# Altium PCB waffling80_classyTKL-NMB.PcbDoc (part 1 of 3)
Units mm, origin at the board's own origin, x right, y up, seen from the top; angles counter-clockwise.
Board outline 346.59 x 122.85 mm, 2 copper layers (Component Side, Bottom Layer), stack 1.171 mm thick; 212 components, 134 nets, 861 pads, 195 vias.
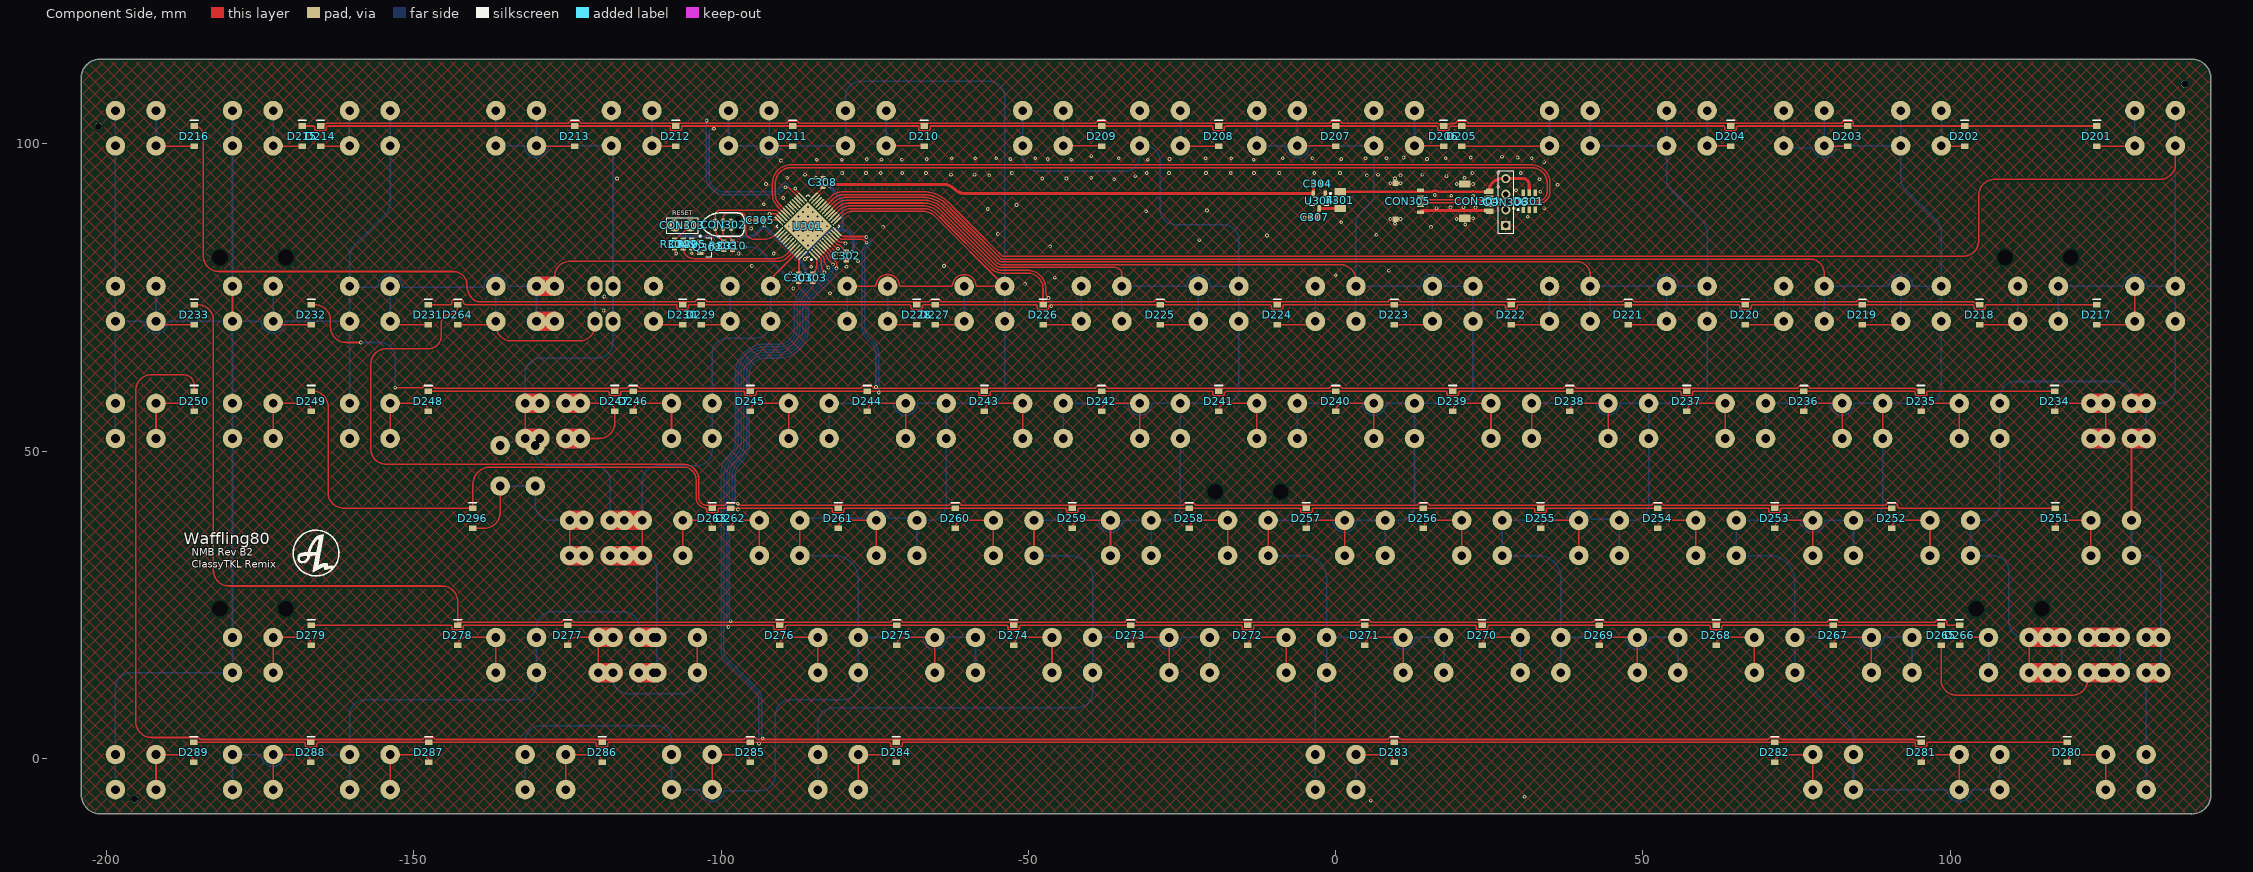
[diagram p0: Component Side view]
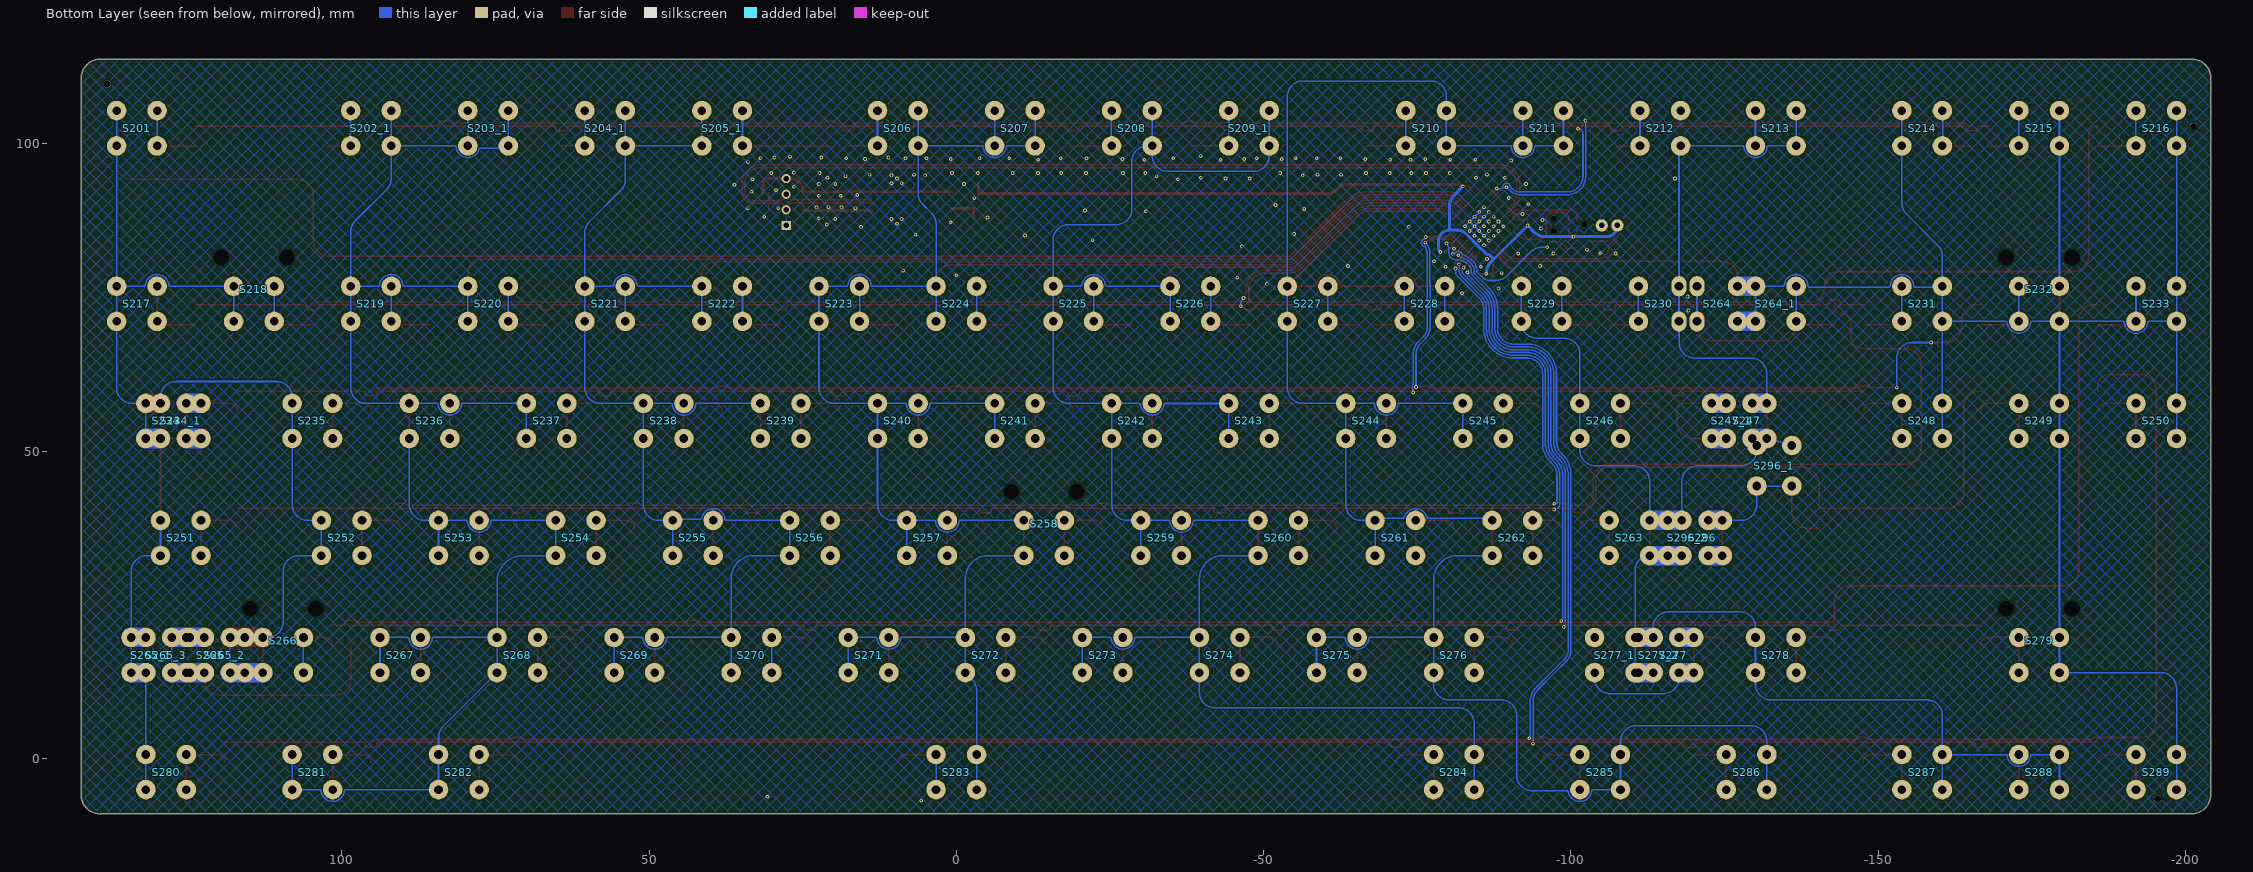
[diagram p1: Bottom Layer view, seen from below]

## Layer stack, top to bottom
Top Solder: solder mask 0.0102, Solder Resist, Dk 3.5
Component Side: signal copper 0.0356
Dielectric 1: core 1.1, FR-4, Dk 4.2
Bottom Layer: signal copper 0.0356
Solder Side: solder mask 0.0102, Solder Resist, Dk 3.5

## Board outline
-204.126,-5.982 cw(c-204.031,-5.897) -204.158,-5.897 -204.158,110.684 cw(c-201.031,110.684) -201.031,113.811 cw(c-201.031,113.684) -200.973,113.797 139.297,113.797 cw(c139.297,110.67) 142.424,110.67 142.424,-5.884 cw(c142.3,-5.916) 142.428,-5.916 cw(c139.3,-5.916) 139.3,-9.043 cw(c139.3,-8.916) 139.234,-9.024 -200.999,-9.024 cw(c-200.999,-5.897)

## Design rules (kind name [scope] priority, off if disabled: settings)
BoardOutlineClearance [All] p1: gap=0.254 ignorepadtopadclearanceinfootprint=FALSE except(0: Arc-SplitContinuation Track-SplitContinuation SMDPad-SplitContinuation THPad-SplitContinuation Via-SplitContinuation Fill-SplitContinuation Poly-SplitContinuation Region-SplitContinuation Text-SplitContinuation)
Clearance [All] p1: gap=0.2 ignorepadtopadclearanceinfootprint=FALSE except(0: Arc-Hole Track-Hole SMDPad-Hole THPad-Hole Via-Hole Fill-Hole Poly-Hole Region-Hole Text-Hole; 0.254: THPad-THPad THPad-Via THPad-Fill THPad-Poly THPad-Region THPad-Text Via-Via Via-Fill Via-Poly Via-Region Via-Text Fill-Fill Fill-Poly Fill-Region Fill-Text Poly-Poly Poly-Region Poly-Text Region-Region Region-Text Text-Text)
ComponentClearance [InComponent('No Component') And OnLayer('Component Side')] p1: gap=0.254 collisioncheckmode=3 verticalgap=0.254 showdistances=FALSE
DiffPairsRouting DiffPairsRouting_USB [InDifferentialPairClass('All Differential Pairs')] p1: maxlimit=0.254 minlimit=0.203 mostfreqgap=0.203 toplayer_minwidth=0.152 toplayer_maxwidth=0.381 toplayer_prefwidth=0.152 bottomlayer_minwidth=0.152 bottomlayer_maxwidth=0.381 bottomlayer_prefwidth=0.152 maxuncoupledlength=12.7
DiffPairsRouting [All] p2: maxlimit=0.254 minlimit=0.254 mostfreqgap=0.254 toplayer_minwidth=0.381 toplayer_maxwidth=0.381 toplayer_prefwidth=0.381 bottomlayer_minwidth=0.381 bottomlayer_maxwidth=0.381 bottomlayer_prefwidth=0.381 maxuncoupledlength=12.7
HoleSize [All] p1: absolutevalues=TRUE maxlimit=20 minlimit=0.025 maxpercent=80.000 minpercent=20.000
MatchedLengths MatchedLengths_USB_DiffPairs_1 [All] p1: tolerance=0.127 checknetsindiffpair=TRUE checkdiffpairvsdiffpair=FALSE checkxsignals=FALSE checkothers=FALSE
MatchedLengths MatchedLengths_USB_DiffPairs [All] p2: tolerance=0.127 checknetsindiffpair=TRUE checkdiffpairvsdiffpair=FALSE checkxsignals=FALSE checkothers=FALSE
PolygonConnect PolygonConnect_1 [All vs IsVia] p1: connectstyle=Direct reliefconductorwidth=0.254 reliefentries=4 polygonreliefangle="90 Angle" airgapwidth=0.254
PolygonConnect [All] p2: connectstyle=Relief reliefconductorwidth=0.254 reliefentries=4 polygonreliefangle="90 Angle" airgapwidth=0.254
RoutingVias [All] p1: holewidth=0.711 width=1.27 viastyle="Through Hole" minholewidth=0.711 minwidth=1.27 maxholewidth=0.711 maxwidth=1.27
SolderMaskExpansion [All] p1: expansion=0.102 istentingtop=FALSE
Width [All] p1: maxlimit=4 minlimit=0.203 preferedwidth=0.254 minimp=50.000000 maximp=50.000000 favimp=50.000000
27 further rules are at their usual default settings.

## Classes and differential pairs
component class Designator: C201 C202 C203 C204 C205 C206 D201 D202 D203 D204 D205 D206 D207 D208 D209 D210 D211 D212 D213 D214 D215 D216 D217 D218 D219 D220 D221 D222 D223 D224 D225 D226 D227 D228 D229 D230 D231 D232 D233 D234 D235 D236 D237 D238 D239 D240 D241 D242 D243 D244 D245 D246 D247 D248 D249 D250 D251 D252 D253 D254 D255 D256 D257 D258 D259 D260 D261 D262 D263 D264 D265 D266 D267 D268 D269 D270 D271 D272 D273 D274 D275 D276 D277 D278 D279 D280 D281 D282 D283 D284 D285 D286 D287 D288 D289 D296 S201 S202_1 S203_1 S204_1 S205_1 S206 S207 S208 S209_1 S210 S211 S212 S213 S214 S215 S216 S217 S218 S219 S220 S221 S222 S223 S224 S225 S226 S227 S228 S229 S230 S231 S232 S233 S234 S234_1 S235 S236 S237 S238 S239 S240 S241 S242 S243 S244 S245 S246 S247 S247_1 S248 S249 S250 S251 S252 S253 S254 S255 S256 S257 S258 S259 S260 S261 S262 S263 S264 S264_1 S265 S265_1 S265_2 S265_3 S266 S267 S268 S269 S270 S271 S272 S273 S274 S275 S276 S277 S277_1 S277_2 S278 S279 S280 S281 S282 S283 S284 S285 S286 S287 S288 S289 S296 S296_1 S296_2
differential pair D: +D_P -D_N

## Components (designator, comment, footprint, x,y, rotation, side; value= is the part's Value field where it differs from the comment)
C301 "" C0603[1608] -87.376,78.232 r90 top value=0.1uF
C302 "" C0603[1608] -79.629,81.788 r90 top value=0.1uF
C303 "" C0603[1608] -85.09,78.232 r90 top value=0.1uF
C304 "" C0603[1608] -2.931,93.529 r180 top value=0.1uF
C305 "" C0603[1608] -93.65,87.606 r0 top value=0.1uF
C307 "" C0603[1608] -3.439,88.087 r0 top value=1uF
C308 "" C0603[1608] -83.439,93.726 r270 top value=0.1uF
C309 "" C0603[1608] -106.172,83.693 r90 top value=4.7uF
C310 "" C0603[1608] -98.171,83.439 r270 top value=470nF
CON302 "TC2030-IDC" TC2030-IDC-NL -99.695,86.868 r0 top
CON303 "Header 2" HDR1X2 -105.029,86.741 r180 top
CON304 "Header 5" UDB_COMBO_JST_MOLEX 22.86,90.678 r270 top
CON305 "Header 5" "Molex 781710004" 11.61,90.678 r270 top locked
CON306 "Header 4" HDR1X4 27.691,94.361 r270 top
D201 "Diode" SOD-123 123.825,101.285 r270 top
D202 "Diode" SOD-123 102.362,101.285 r270 top
D203 "Diode" SOD-123 83.312,101.285 r270 top
D204 "Diode" SOD-123 64.262,101.285 r270 top
D205 "Diode" SOD-123 20.549,101.285 r270 top
D206 "Diode" SOD-123 17.549,101.285 r270 top
D207 "Diode" SOD-123 0,101.285 r270 top
D208 "Diode" SOD-123 -19.05,101.285 r270 top
D209 "Diode" SOD-123 -38.1,101.285 r270 top
D210 "Diode" SOD-123 -66.932,101.285 r270 top
D211 "Diode" SOD-123 -88.331,101.285 r270 top
D212 "Diode" SOD-123 -107.381,101.285 r270 top
D213 "Diode" SOD-123 -123.825,101.285 r270 top
D214 "Diode" SOD-123 -165.188,101.285 r270 top
D215 "Diode" SOD-123 -168.188,101.285 r270 top
D216 "Diode" SOD-123 -185.737,101.285 r270 top
D217 "Diode" SOD-123 123.825,72.2 r270 top
D218 "Diode" SOD-123 104.775,72.2 r270 top
D219 "Diode" SOD-123 85.725,72.2 r270 top
D220 "Diode" SOD-123 66.675,72.2 r270 top
D221 "Diode" SOD-123 47.625,72.2 r270 top
D222 "Diode" SOD-123 28.575,72.2 r270 top
D223 "Diode" SOD-123 9.525,72.2 r270 top
D224 "Diode" SOD-123 -9.525,72.2 r270 top
D225 "Diode" SOD-123 -28.575,72.2 r270 top
D226 "Diode" SOD-123 -47.625,72.2 r270 top
D227 "Diode" SOD-123 -65.175,72.2 r270 top
D228 "Diode" SOD-123 -68.175,72.2 r270 top
D229 "Diode" SOD-123 -103.275,72.2 r270 top
D230 "Diode" SOD-123 -106.275,72.2 r270 top
D231 "Diode" SOD-123 -147.637,72.2 r270 top
D232 "Diode" SOD-123 -166.687,72.2 r270 top
D233 "Diode" SOD-123 -185.737,72.2 r270 top
D234 "Diode" SOD-123 117,58.15 r270 top
D235 "Diode" SOD-123 95.25,58.15 r270 top
D236 "Diode" SOD-123 76.2,58.15 r270 top
D237 "Diode" SOD-123 57.15,58.15 r270 top
D238 "Diode" SOD-123 38.1,58.15 r270 top
D239 "Diode" SOD-123 19.05,58.15 r270 top
D240 "Diode" SOD-123 0,58.15 r270 top
D241 "Diode" SOD-123 -19.05,58.15 r270 top
D242 "Diode" SOD-123 -38.1,58.15 r270 top
D243 "Diode" SOD-123 -57.15,58.15 r270 top
D244 "Diode" SOD-123 -76.2,58.15 r270 top
D245 "Diode" SOD-123 -95.25,58.15 r270 top
D246 "Diode" SOD-123 -114.3,58.15 r270 top
D247 "Diode" SOD-123 -117.3,58.15 r270 top
D248 "Diode" SOD-123 -147.637,58.15 r270 top
D249 "Diode" SOD-123 -166.687,58.15 r270 top
D250 "Diode" SOD-123 -185.737,58.15 r270 top
D251 "Diode" SOD-123 117.1,39.1 r270 top
D252 "Diode" SOD-123 90.487,39.1 r270 top
D253 "Diode" SOD-123 71.437,39.1 r270 top
D254 "Diode" SOD-123 52.387,39.1 r270 top
D255 "Diode" SOD-123 33.337,39.1 r270 top
D256 "Diode" SOD-123 14.287,39.1 r270 top
D257 "Diode" SOD-123 -4.763,39.1 r270 top
D258 "Diode" SOD-123 -23.813,39.1 r270 top
D259 "Diode" SOD-123 -42.863,39.1 r270 top
D260 "Diode" SOD-123 -61.913,39.1 r270 top
D261 "Diode" SOD-123 -80.963,39.1 r270 top
D262 "Diode" SOD-123 -98.43,39.1 r270 top
D263 "Diode" SOD-123 -101.43,39.1 r270 top
D264 "Diode" SOD-123 -142.875,72.2 r270 top
D265 "Diode" SOD-123 98.515,20.05 r270 top
D266 "Diode" SOD-123 101.515,20.05 r270 top
D267 "Diode" SOD-123 80.962,20.05 r270 top
D268 "Diode" SOD-123 61.912,20.05 r270 top
D269 "Diode" SOD-123 42.862,20.05 r270 top
D270 "Diode" SOD-123 23.812,20.05 r270 top
D271 "Diode" SOD-123 4.763,20.05 r270 top
D272 "Diode" SOD-123 -14.287,20.05 r270 top
D273 "Diode" SOD-123 -33.337,20.05 r270 top
D274 "Diode" SOD-123 -52.387,20.05 r270 top
D275 "Diode" SOD-123 -71.438,20.05 r270 top
D276 "Diode" SOD-123 -90.488,20.05 r270 top
D277 "Diode" SOD-123 -124.968,20.05 r270 top
D278 "Diode" SOD-123 -142.875,20.05 r270 top
D279 "Diode" SOD-123 -166.687,20.05 r270 top
D280 "Diode" SOD-123 119.062,1 r270 top
D281 "Diode" SOD-123 95.25,1 r270 top
D282 "Diode" SOD-123 71.437,1 r270 top
D283 "Diode" SOD-123 9.525,1 r270 top
D284 "Diode" SOD-123 -71.495,1 r270 top
D285 "Diode" SOD-123 -95.244,1 r270 top
D286 "Diode" SOD-123 -119.374,1 r270 top
D287 "Diode" SOD-123 -147.568,1 r270 top
D288 "Diode" SOD-123 -166.745,1 r270 top
D289 "Diode" SOD-123 -185.795,1 r270 top
D296 "Diode" SOD-123 -140.417,39.1 r270 top
D301 "SRV05" SOT-23-6 31.496,90.678 r270 top
F301 "Fuse Thermal" C1206[3216] 0.746,90.853 r90 top
Q302 "2N7002 NMOS" SOT-23-3 -102.199,83.185 r180 top
R303 "Res1" R0603[1608] -99.568,83.439 r270 top value=10K
R304 "Res1" R0603[1608] -107.569,83.693 r270 top value=10K
R305 "Res1" R0603[1608] -104.79,83.693 r270 top value=100K
S201 "NMB" "NMB-Switch 1U - switched pol  - no allignment pins"#1 133.35,104.774 r180 bottom locked
S202_1 "NMB" "NMB-Switch 1U - no allignment pins"#1 95.25,104.774 r180 bottom locked
S203_1 "NMB" "NMB-Switch 1U - no allignment pins"#1 76.2,104.774 r180 bottom locked
S204_1 "NMB" "NMB-Switch 1U - no allignment pins"#1 57.15,104.774 r180 bottom locked
S205_1 "NMB" "NMB-Switch 1U - switched pol  - no allignment pins"#1 38.1,104.774 r180 bottom locked
S206 "NMB" "NMB-Switch 1U - no allignment pins"#1 9.525,104.774 r180 bottom locked
S207 "NMB" "NMB-Switch 1U - no allignment pins"#1 -9.525,104.774 r180 bottom locked
S208 "NMB" "NMB-Switch 1U - no allignment pins"#1 -28.575,104.774 r180 bottom locked
S209_1 "NMB" "NMB-Switch 1U - no allignment pins"#1 -47.625,104.774 r180 bottom locked
S210 "NMB" "NMB-Switch 1U - no allignment pins"#1 -76.457,104.774 r180 bottom locked
S211 "NMB" "NMB-Switch 1U - no allignment pins"#1 -95.507,104.774 r180 bottom locked
S212 "NMB" "NMB-Switch 1U - no allignment pins"#1 -114.557,104.774 r180 bottom
S213 "NMB" "NMB-Switch 1U - no allignment pins"#1 -133.35,104.774 r180 bottom locked
S214 "NMB" "NMB-Switch 1U - switched pol  - no allignment pins"#1 -157.162,104.774 r180 bottom locked
S215 "NMB" "NMB-Switch 1U - no allignment pins"#1 -176.212,104.774 r180 bottom locked
S216 "NMB" "NMB-Switch 1U - no allignment pins"#1 -195.262,104.774 r180 bottom locked
S217 "NMB" "NMB-Switch 1U - switched pol  - no allignment pins"#2 133.349,76.2 r180 bottom locked
S218 "NMB" "NMB-Switch 1U - switched pol" 114.299,76.2 r180 bottom locked
S219 "NMB" "NMB-Switch 1U - switched pol  - no allignment pins"#2 95.249,76.2 r180 bottom locked
S220 "NMB" "NMB-Switch 1U - switched pol  - no allignment pins"#2 76.199,76.2 r180 bottom locked
S221 "NMB" "NMB-Switch 1U - switched pol  - no allignment pins"#2 57.149,76.2 r180 bottom locked
S222 "NMB" "NMB-Switch 1U - switched pol  - no allignment pins"#2 38.099,76.2 r180 bottom locked
S223 "NMB" "NMB-Switch 1U - switched pol  - no allignment pins"#2 19.049,76.2 r180 bottom locked
S224 "NMB" "NMB-Switch 1U - switched pol  - no allignment pins"#2 -0.001,76.2 r180 bottom locked
S225 "NMB" "NMB-Switch 1U - switched pol  - no allignment pins"#2 -19.051,76.2 r180 bottom locked
S226 "NMB" "NMB-Switch 1U - switched pol  - no allignment pins"#2 -38.101,76.2 r180 bottom locked
S227 "NMB" "NMB-Switch 1U - switched pol  - no allignment pins"#2 -57.151,76.2 r180 bottom locked
S228 "NMB" "NMB-Switch 1U - no allignment pins"#2 -76.201,76.2 r180 bottom locked
S229 "NMB" "NMB-Switch 1U - switched pol  - no allignment pins"#2 -95.251,76.2 r180 bottom locked
S230 "NMB" "NMB-Switch 1U - no allignment pins"#3 -114.301,76.2 r180 bottom locked
S231 "NMB" "NMB-Switch 1U - no allignment pins"#2 -157.162,76.2 r180 bottom locked
S232 "NMB" "NMB-Switch 1U" -176.213,76.2 r180 bottom locked
S233 "NMB" "NMB-Switch 1U - no allignment pins"#2 -195.262,76.2 r180 bottom locked
S234 "NMB" "NMB-Switch 1U - switched pol  - no allignment pins"#2 128.587,57.15 r180 bottom locked
S234_1 "NMB" "NMB-Switch 1U - switched pol  - no allignment pins"#1 126.206,57.15 r180 bottom
S235 "NMB" "NMB-Switch 1U - switched pol  - no allignment pins"#2 104.774,57.15 r180 bottom locked
S236 "NMB" "NMB-Switch 1U - switched pol  - no allignment pins"#2 85.724,57.15 r180 bottom locked
S237 "NMB" "NMB-Switch 1U - switched pol  - no allignment pins"#2 66.674,57.15 r180 bottom locked
S238 "NMB" "NMB-Switch 1U - switched pol  - no allignment pins"#2 47.624,57.15 r180 bottom locked
S239 "NMB" "NMB-Switch 1U - switched pol  - no allignment pins"#2 28.574,57.15 r180 bottom locked
S240 "NMB" "NMB-Switch 1U - switched pol  - no allignment pins"#2 9.524,57.15 r180 bottom locked
S241 "NMB" "NMB-Switch 1U - switched pol  - no allignment pins"#2 -9.526,57.15 r180 bottom locked
S242 "NMB" "NMB-Switch 1U - switched pol  - no allignment pins"#2 -28.576,57.15 r180 bottom locked
S243 "NMB" "NMB-Switch 1U - switched pol  - no allignment pins"#2 -47.626,57.15 r180 bottom locked
S244 "NMB" "NMB-Switch 1U - switched pol  - no allignment pins"#2 -66.676,57.15 r180 bottom locked
S245 "NMB" "NMB-Switch 1U - switched pol  - no allignment pins"#2 -85.726,57.15 r180 bottom locked
S246 "NMB" "NMB-Switch 1U - switched pol  - no allignment pins"#2 -104.776,57.15 r180 bottom locked
S247 "NMB" "NMB-Switch 1U - no allignment pins"#2 -128.588,57.15 r180 bottom locked
S247_1 "NMB" "NMB-Switch 1U - no allignment pins"#2 -126.206,57.149 r180 bottom
S248 "NMB" "NMB-Switch 1U - no allignment pins"#2 -157.162,57.15 r180 bottom locked
S249 "NMB" "NMB-Switch 1U - no allignment pins"#2 -176.213,57.15 r180 bottom locked
S250 "NMB" "NMB-Switch 1U - no allignment pins"#2 -195.262,57.15 r180 bottom locked
S251 "NMB" "NMB-Switch 1U - switched pol  - no allignment pins"#2 126.206,38.1 r180 bottom locked
S252 "NMB" "NMB-Switch 1U - switched pol  - no allignment pins"#2 100.012,38.1 r180 bottom locked
S253 "NMB" "NMB-Switch 1U - switched pol  - no allignment pins"#2 80.962,38.1 r180 bottom locked
S254 "NMB" "NMB-Switch 1U - switched pol  - no allignment pins"#2 61.912,38.1 r180 bottom locked
S255 "NMB" "NMB-Switch 1U - switched pol  - no allignment pins"#2 42.862,38.1 r180 bottom locked
S256 "NMB" "NMB-Switch 1U - switched pol  - no allignment pins"#2 23.812,38.1 r180 bottom locked
S257 "NMB" "NMB-Switch 1U - switched pol  - no allignment pins"#2 4.762,38.1 r180 bottom locked
S258 "NMB" "NMB-Switch 1U - switched pol" -14.288,38.1 r180 bottom locked
S259 "NMB" "NMB-Switch 1U - switched pol  - no allignment pins"#2 -33.338,38.1 r180 bottom locked
S260 "NMB" "NMB-Switch 1U - switched pol  - no allignment pins"#2 -52.388,38.1 r180 bottom locked
S261 "NMB" "NMB-Switch 1U - switched pol  - no allignment pins"#2 -71.438,38.1 r180 bottom locked
S262 "NMB" "NMB-Switch 1U - switched pol  - no allignment pins"#2 -90.488,38.1 r180 bottom locked
S263 "NMB" "NMB-Switch 1U - no allignment pins"#2 -109.538,38.1 r180 bottom locked
S264 "NMB" "NMB-Switch 1U - no allignment pins"#4 -123.826,76.2 r180 bottom locked
S264_1 "NMB" "NMB-Switch 1U - switched pol  - no allignment pins"#2 -133.351,76.2 r180 bottom locked
S265 "NMB" "NMB-Switch 1U - no allignment pins"#2 121.443,19.05 r180 bottom locked
S265_1 "NMB" "NMB-Switch 1U - switched pol  - no allignment pins"#2 130.968,19.05 r180 bottom locked
S265_2 "NMB" "NMB-Switch 1U - no allignment pins"#2 119.064,19.05 r180 bottom locked
S265_3 "NMB" "NMB-Switch 1U - switched pol  - no allignment pins"#1 128.587,19.05 r180 bottom locked
S266 "NMB" "NMB-Switch 1U - switched pol" 109.539,19.05 r180 bottom locked
S267 "NMB" "NMB-Switch 1U - switched pol  - no allignment pins"#2 90.487,19.05 r180 bottom locked
S268 "NMB" "NMB-Switch 1U - switched pol  - no allignment pins"#2 71.437,19.05 r180 bottom locked
S269 "NMB" "NMB-Switch 1U - switched pol  - no allignment pins"#2 52.387,19.05 r180 bottom locked
S270 "NMB" "NMB-Switch 1U - switched pol  - no allignment pins"#2 33.337,19.05 r180 bottom locked
S271 "NMB" "NMB-Switch 1U - switched pol  - no allignment pins"#2 14.287,19.05 r180 bottom locked
S272 "NMB" "NMB-Switch 1U - switched pol  - no allignment pins"#2 -4.763,19.05 r180 bottom locked
S273 "NMB" "NMB-Switch 1U - switched pol  - no allignment pins"#2 -23.813,19.05 r180 bottom locked
S274 "NMB" "NMB-Switch 1U - switched pol  - no allignment pins"#2 -42.862,19.05 r180 bottom locked
S275 "NMB" "NMB-Switch 1U - switched pol  - no allignment pins"#2 -61.913,19.05 r180 bottom locked
S276 "NMB" "NMB-Switch 1U - switched pol  - no allignment pins"#2 -80.963,19.05 r180 bottom locked
S277 "NMB" "NMB-Switch 1U - switched pol  - no allignment pins"#2 -116.682,19.05 r180 bottom locked
S277_1 "NMB" "NMB-Switch 1U - no allignment pins"#2 -107.157,19.05 r180 bottom locked
S277_2 "NMB" "NMB-Switch 1U - switched pol  - no allignment pins"#1 -114.301,19.05 r180 bottom
S278 "NMB" "NMB-Switch 1U - switched pol  - no allignment pins"#2 -133.351,19.05 r180 bottom locked
S279 "NMB" "NMB-Switch 1U" -176.213,19.05 r180 bottom locked
S280 "NMB" "NMB-Switch 1U - no allignment pins"#2 128.587,0 r180 bottom locked
S281 "NMB" "NMB-Switch 1U - no allignment pins"#2 104.775,0 r180 bottom locked
S282 "NMB" "NMB-Switch 1U - no allignment pins"#2 80.962,0 r180 bottom locked
S283 "NMB" "NMB-Switch 1U - no allignment pins"#2 0,0 r180 bottom locked
S284 "NMB" "NMB-Switch 1U - no allignment pins"#2 -80.962,0 r180 bottom locked
S285 "NMB" "NMB-Switch 1U - no allignment pins"#2 -104.775,0 r180 bottom locked
S286 "NMB" "NMB-Switch 1U - no allignment pins"#2 -128.588,0 r180 bottom locked
S287 "NMB" "NMB-Switch 1U - no allignment pins"#2 -157.162,0 r180 bottom locked
S288 "NMB" "NMB-Switch 1U - no allignment pins"#2 -176.213,0 r180 bottom locked
S289 "NMB" "NMB-Switch 1U - no allignment pins"#2 -195.262,0 r180 bottom locked
S296 "NMB" "NMB-Switch 1U - switched pol  - no allignment pins"#2 -121.362,38.1 r180 bottom locked
S296_1 "NMB" "NMB-Switch 1U - no allignment pins"#2 -130.892,47.63 r90 bottom locked
S296_2 "NMB" "NMB-Switch 1U - switched pol  - no allignment pins"#1 -119.063,38.1 r180 bottom
U301 "STM32F072/F303_LQFP48" "STM32 - COMBO 7X7MM" -85.878,86.611 r45 top
U304 "XC6206P332MR" SOT-23-3 -2.677,90.743 r90 top

## Footprints (in the part's own frame and the unit in brackets; to place one, negate y for a bottom-side part, rotate by r counter-clockwise, add the part's x,y. Pads: shape width x height; smd on the part's side, far side on the other; paste and mask are expansions set on the pad)
C0603[1608] [mm] "Chip Resistor, 2-Leads, Body 1,57x0,80mm, IPC Medium Density"
  rect 0.8x0.85 smd: 1(-0.65,0) 2(0.65,0)
  body extent -0.83,-0.43 0.82,0.43, height 0.5
C1206[3216] [mm]
  rect 1.2x1.8 smd: 1(-1.35,0) 2(1.35,0)
  silkscreen extent -0.35,-0.8 0.35,0.8, body extent -1.6,-0.9 1.6,0.9, height 1.2
HDR1X2 [mm] "Connector; Header; 2 Position"
  round 2 hole 0.9 mask+0.102: 1(0,0) 2(2.54,0)
  silkscreen extent -1.27,-1.27 3.81,1.27
HDR1X4 [mm] "Connector; Header; 4 Position"
  round 1.5 hole 0.9 mask+0.102: 1(0,0) 2(2.54,0) 3(5.08,0)
  rect 1.5x1.5 hole 0.9 mask+0.102: 4(7.62,0)
  silkscreen extent -1.27,-1.27 8.89,1.27
"Molex 781710004" [mm]
  rect 0.6x1.2 smd: 1(-1.8,2.2) 2(-0.6,2.2) 3(0.6,2.2) 4(1.8,2.2)
  rect 0.85x1 smd: 5(-2.94,-1.887) 5(2.94,-1.887)
  body extent -3.3,-2.05 3.3,2.48, height 1.5
"NMB-Switch 1U" [mm]
  round 3.18 hole 1.4 mask+0.102: 1(-3.3,-5.08) 1(-3.3,0.64) 2(3.3,-5.08) 2(3.3,0.64)
  round 0 hole 2.54 unplated mask+0.102: ""(-5.33,5.33) ""(5.33,5.33)
  round 1 on Mech14 mask+0.102: ""(0,0)
"NMB-Switch 1U - no allignment pins"#1 [mm]
  round 3.18 hole 1.4 mask+0.102: 1(-3.3,-5.08) 1(-3.3,0.64) 2(3.3,-5.08) 2(3.3,0.64)
  round 1 on Mech14: ""(0,0)
"NMB-Switch 1U - no allignment pins"#2 [mm]
  round 3.18 hole 1.4 mask+0.102: 1(-3.3,-5.08) 1(-3.3,0.64) 2(3.3,-5.08) 2(3.3,0.64)
  round 1 on Mech14 mask+0.102: ""(0,0)
"NMB-Switch 1U - no allignment pins"#3 [mm]
  round 3.18 hole 1.4 mask+0.102: 1(-3.3,-5.08) 1(-3.3,0.64)
  oval 2.5x3.3 hole 1.4 mask+0.102: 2(3.3,-5.08) 2(3.3,0.64)
  round 1 on Mech14 mask+0.102: ""(0,0)
"NMB-Switch 1U - no allignment pins"#4 [mm]
  oval 2.5x3.3 hole 1.4 mask+0.102: 1(-3.3,-5.08) 1(-3.3,0.64)
  round 3.18 hole 1.4 mask+0.102: 2(3.3,-5.08) 2(3.3,0.64)
  round 1 on Mech14 mask+0.102: ""(0,0)
"NMB-Switch 1U - switched pol" [mm]
  round 3.18 hole 1.4 mask+0.102: 1(3.3,-5.08) 1(3.3,0.64) 2(-3.3,-5.08) 2(-3.3,0.64)
  round 0 hole 2.54 unplated mask+0.102: ""(-5.33,5.33) ""(5.33,5.33)
  round 1 on Mech14 mask+0.102: ""(0,0)
"NMB-Switch 1U - switched pol  - no allignment pins"#1 [mm]
  round 3.18 hole 1.4 mask+0.102: 1(3.3,-5.08) 1(3.3,0.64) 2(-3.3,-5.08) 2(-3.3,0.64)
  round 1 on Mech14: ""(0,0)
"NMB-Switch 1U - switched pol  - no allignment pins"#2 [mm]
  round 3.18 hole 1.4 mask+0.102: 1(3.3,-5.08) 1(3.3,0.64) 2(-3.3,-5.08) 2(-3.3,0.64)
  round 1 on Mech14 mask+0.102: ""(0,0)
R0603[1608] [mm] "Chip Resistor, 2-Leads, Body 1,57x0,80mm, IPC Medium Density"
  rect 0.8x0.85 smd: 1(-0.65,0) 2(0.65,0)
  body extent -0.83,-0.43 0.82,0.43, height 0.5
SOD-123 [mm]
  rect 0.91x1.22 smd: 1(1.635,0) 2(-1.635,0)
  silkscreen extent -2.54,-0.64 -2.54,0.63, body extent -1.87,-0.85 1.88,0.85, height 1.2
SOT-23-3 [mm] "3.3v regulator, used in Windsond S2 proto 1"
  rect 1x0.55 smd: 1(1.2,-0.95) 2(1.2,0.95) 3(-1.2,0)
  silkscreen extent -0.7,-1.95 1.32,1.55, body extent -1.1,-1.5 1.45,1.5, height 1
SOT-23-6 [mm]
  rect 1x0.55 smd: 1(1.375,-0.95) 2(1.375,0) 3(1.375,0.95) 4(-1.375,0.95) 5(-1.375,0) 6(-1.375,-0.95)
  silkscreen extent -0.46,-1.92 1.5,1.55, body extent -1.47,-1.49 1.37,1.44, height 1.05
"STM32 - COMBO 7X7MM" [mm] "LQFP48, 7x7mm"
  oval 0.3x1.45 smd paste-5: 1(-2.75,-4.225) 2(-2.25,-4.225) 3(-1.75,-4.225) 4(-1.25,-4.225) 5(-0.75,-4.225) 6(-0.25,-4.225) 7(0.25,-4.225) 8(0.75,-4.225) 9(1.25,-4.225) 10(1.75,-4.225) 11(2.25,-4.225) 12(2.75,-4.225) 25(2.75,4.225) 26(2.25,4.225) 27(1.75,4.225) 28(1.25,4.225) 29(0.75,4.225) 30(0.25,4.225) 31(-0.25,4.225) 32(-0.75,4.225) 33(-1.25,4.225) 34(-1.75,4.225) 35(-2.25,4.225) 36(-2.75,4.225)
  oval 0.25x0.8 smd: 1(-2.75,-3.4) 2(-2.25,-3.4) 3(-1.75,-3.4) 4(-1.25,-3.4) 5(-0.75,-3.4) 6(-0.25,-3.4) 7(0.25,-3.4) 8(0.75,-3.4) 9(1.25,-3.4) 10(1.75,-3.4) 11(2.25,-3.4) 12(2.75,-3.4) 25(2.75,3.4) 26(2.25,3.4) 27(1.75,3.4) 28(1.25,3.4) 29(0.75,3.4) 30(0.25,3.4) 31(-0.25,3.4) 32(-0.75,3.4) 33(-1.25,3.4) 34(-1.75,3.4) 35(-2.25,3.4) 36(-2.75,3.4)
  oval 0.8x0.25 smd: 13(3.4,-2.75) 14(3.4,-2.25) 15(3.4,-1.75) 16(3.4,-1.25) 17(3.4,-0.75) 18(3.4,-0.25) 19(3.4,0.25) 20(3.4,0.75) 21(3.4,1.25) 22(3.4,1.75) 23(3.4,2.25) 24(3.4,2.75) 37(-3.4,2.75) 38(-3.4,2.25) 39(-3.4,1.75) 40(-3.4,1.25) 41(-3.4,0.75) 42(-3.4,0.25) 43(-3.4,-0.25) 44(-3.4,-0.75) 45(-3.4,-1.25) 46(-3.4,-1.75) 47(-3.4,-2.25) 48(-3.4,-2.75)
  oval 1.45x0.3 smd paste-5: 13(4.225,-2.75) 14(4.225,-2.25) 15(4.225,-1.75) 16(4.225,-1.25) 17(4.225,-0.75) 18(4.225,-0.25) 19(4.225,0.25) 20(4.225,0.75) 21(4.225,1.25) 22(4.225,1.75) 23(4.225,2.25) 24(4.225,2.75) 37(-4.225,2.75) 38(-4.225,2.25) 39(-4.225,1.75) 40(-4.225,1.25) 41(-4.225,0.75) 42(-4.225,0.25) 43(-4.225,-0.25) 44(-4.225,-0.75) 45(-4.225,-1.25) 46(-4.225,-1.75) 47(-4.225,-2.25) 48(-4.225,-2.75)
  rect 5.6x5.6 smd: 47(0,0)
  silkscreen extent -3.65,-4.35 3.65,3.65, body extent -3.52,-3.52 3.52,3.52, height 0.5
TC2030-IDC-NL [mm] "Tag-Connect 6-Pin with No Legs (PN# TC2030-IDC-NL)"
  round 0.9 hole 0.995 unplated: 0(-2.54,0) 0(2.54,-1.016) 0(2.54,1.016)
  round 0.79 smd paste-0.39: 1(-1.27,-0.635) 2(-1.27,0.635) 3(0,-0.635) 4(0,0.635) 5(1.35,-0.635) 6(1.27,0.635)
  silkscreen extent -3.43,-1.91 3.43,1.9
UDB_COMBO_JST_MOLEX [mm]
  rect 0.6x1.2 smd: 1(-1.8,2.2) 2(-0.6,2.2) 3(0.6,2.2) 4(1.8,2.2)
  rect 0.6x1.55 smd: 1(-1.5,2.021) 2(-0.5,2.021) 3(0.5,2.021) 4(1.5,2.021)
  rect 0.85x1 smd: 5(-2.94,-1.887) 5(2.94,-1.887)
  rect 1.2x1.8 smd: 5(-2.8,-1.854) 5(2.8,-1.854)
  body extent -3.01,-2.62 2.99,2.33, height 2.96

## Part data
C301 C302 C303 C304 C305 C308: library part Cap, "Capacitor", LCSC MFG=YAGEO, LCSC Part #=C14663, MRF.Part=CC0603KRX7R9BB104, Version="0603 imperial"
C307: library part Cap, "Capacitor", LCSC MFG="Samsung Electro-Mechanics", LCSC Part #=C15849, MRF.Part=CL10A105KB8NNNC, Version="0603 imperial"
C309: library part Cap, "Capacitor", LCSC MFG="Samsung Electro-Mechanics", LCSC Part #=C19666, MRF.Part=CL10A475KO8NNNC, Version="0603 imperial"
C310: library part Cap, "Capacitor", LCSC MFG="Samsung Electro-Mechanics", LCSC Part #=C1623, MRF.Part=CL10B474KA8NNNC, Version="0603 imperial"
CON302: library part "Header 3X2", "Header, 3-Pin, Dual row"
CON303: "Header, 2-Pin"
CON304: "JST for USB daughter board", LCSC MFG="JST Sales America", LCSC Part #=C160404, MRF.Part=SM04B-SRSS-TB(LF)(SN)
CON305: "JST for USB daughter board", LCSC MFG=MOLEX, LCSC Part #=C588524, MRF.Part=781710004
CON306: "Header, 4-Pin"
D201 D202 D203 D204 D205 D206 D207 D208 D209 D210 D211 D212 D213 D214 D215 D216 D217 D218 D219 D220 D221 D222 D223 D224 D225 D226 D227 D228 D229 D230 D231 D232 D233 D234 D235 D236 D237 D238 D239 D240 D241 D242 D243 D244 D245 D246 D247 D248 D249 D250 D251 D252 D253 D254 D255 D256 D257 D258 D259 D260 D261 D262 D263 D264 D265 D266 D267 D268 D269 D270 D271 D272 D273 D274 D275 D276 D277 D278 D279 D280 D281 D282 D283 D284 D285 D286 D287 D288 D289 D296: "Default Diode", LCSC MFG=ST(Semtech), LCSC Part #=C81598, MRF.Part=1N4148W, Version=SOD-123
D301: LCSC MFG="ProTek Devices", LCSC Part #=C85364, MRF.Part=SRV05-4-P-T7
F301: "Thermal Fuse", LCSC MFG="Shenzhen JDT Fuse", LCSC Part #=C135338, MRF.Part=ASMD1206-050
Q302: library part MOSFET-N, "N-Channel MOSFET", LCSC MFG="Changjiang Electronics Tech (CJ)", LCSC Part #=C8545, MRF.Part=2N7002
R303 R304: "Resistor", LCSC MFG="Uniroyal Elec", LCSC Part #=C25804, MRF.Part=0603WAF1002T5E, Version="0603 imperial"
R305: "Resistor", LCSC MFG="Uniroyal Elec", LCSC Part #=C25803, MRF.Part=0603WAF1003T5E, Version="0603 imperial"
S201 S202_1 S203_1 S204_1 S205_1 S206 S207 S208 S209_1 S210 S211 S212 S213 S214 S215 S216 S217 S218 S219 S220 S221 S222 S223 S224 S225 S226 S227 S228 S229 S230 S231 S232 S233 S235 S236 S237 S238 S239 S240 S241 S242 S243 S244 S245 S246 S247 S247_1 S248 S249 S250 S251 S252 S253 S254 S255 S256 S257 S258 S259 S260 S261 S262 S263 S264 S264_1 S265 S265_1 S265_2 S265_3 S266 S267 S268 S269 S270 S271 S272 S273 S274 S275 S276 S277 S277_1 S277_2 S278 S279 S280 S281 S282 S283 S284 S285 S286 S287 S288 S289 S296 S296_1 S296_2: library part SW-PB, "Switch"
S234 S234_1: library part SW-PB, "TAB"
U301: LCSC MFG=Geehy, LCSC Part #=C915660, MRF.Part=APM32F072CBT6
U304: library part "SOT23 LDO", LCSC MFG="Torex Semicon", LCSC Part #=C5446, MRF.Part=XC6206P332MR

## Free pads (board coordinates)
  round 1.152 hole 1.152 unplated paste+0.148 mask+0.148: ""(-201.295,102.87) ""(-195.453,-6.604) ""(138.176,109.728)

## Via types
v1: diameter 0.6, hole 0.3, Component Side to Bottom Layer, tented both sides, 170 vias
v2: diameter 0.6, hole 0.3, Component Side to Bottom Layer, tented bottom, 25 vias

## Nets (pads, with @x,y where several pads share a name; then routed paths per layer and width w, separated by ;. In a path a pad name is that pad's centre, name@x,y a point inside that pad or via, vN(x,y) a via of type N, cw(c..) or ccw(c..) an arc to the next point about the centre after c; other vN are vias at no path point)
BOOT0: C309.1 CON303.1 R304.1 U301.44 | length 24.8
  Component Side w0.254: CON303.1@-105.029,86.741 -105.652,86.118 -107.271,84.616 R304.1@-107.569,84.343 -107.271,84.07 -106.47,83.316 C309.1@-106.172,83.043 ccw(c-104.482,83.043) -104.482,81.353 -91.127,81.353 ccw(c-91.127,83.893) -89.331,82.097 U301.44@-88.335,83.093
col1: S201.2 S217.2 S218.2 S234.2 S234_1.2 S235.2 S251.2 S252.2 S265.2 S265_1.2 S265_2.2 S265_3.2 S266.2 S280.1 U301.20 | length 512.9
  Component Side w0.254: U301.20@-83.421,90.129 -82.09,91.459 cw(c-80.294,89.663) -80.459,92.198 ; -80.294,92.203 ccw(c-80.294,89.663) -80.459,92.198 ; -62.845,90.329 -62.678,90.162 -62.653,90.137 cw(c-63.932,88.848) -62.645,90.129 -62.566,90.05 cw(c-63.525,89.083) -62.559,90.043 -62.546,90.03 cw(c-62.867,89.709) -62.545,90.029 -62.053,89.537 -59.383,86.867 -58.801,86.285 -54.849,82.333 -54.751,82.235 cw(c-55.711,81.269) -54.745,82.228 -54.651,82.135 -54.309,81.792 ccw(c-54.129,81.972) -54.129,81.718 102.108,81.718 ccw(c102.108,84.258) 104.648,84.258 104.648,91.694 cw(c107.188,91.694) 106.238,94.05 cw(c107.188,91.694) 107.188,94.234 134.11,94.234 ccw(c134.11,96.774) 136.65,96.774 S201.2@136.65,99.694 ; -62.846,90.329 -63.036,90.52 ccw(c-67.088,86.485) -65.767,92.048 cw(c-65.707,92.295) -65.78,92.052 ccw(c-66.789,88.755) -66.602,92.198 ccw(c-66.789,88.755) -66.789,92.203 -79.788,92.203 ccw(c-79.788,88.755) -79.975,92.198 cw(c-79.987,92.452) -79.986,92.198 -80.459,92.198 ; S266.2@112.84,13.97 S266.2@112.84,19.69 ; S218.2@116.713,76.84 S218.2@117.6,76.84 ; S251.2@129.506,38.74 S234_1.2@129.506,52.07
  Component Side w3.18: S266.2@112.84,13.97 S265_2.2@115.764,13.97 S265.2@118.143,13.97 ; S266.2@112.84,19.69 S265_2.2@115.764,19.69 S265.2@118.143,19.69 ; S234_1.2@129.506,52.07 S234.2@131.887,52.07 ; S234_1.2@129.506,57.79 S234.2@131.887,57.79 ; S265_3.2@131.887,13.97 S265_1.2@134.268,13.97 ; S265_3.2@131.887,19.69 S265_1.2@134.268,19.69
  Bottom Layer w0.254: S218.2@117.6,71.12 S218.2@117.6,76.84 127.895,76.84 ccw(c127.893,77.094) 128.146,77.064 cw(c130.049,76.84) 129.436,78.656 ; S265.2@118.143,13.97 S265.2@118.143,19.69 S265_2.2@115.764,19.69 S266.2@112.84,19.69 112.079,19.69 cw(c112.079,22.23) 109.539,22.23 109.539,30.48 ccw(c106.999,30.48) 106.999,33.02 S252.2@103.312,33.02 103.312,37.78 cw(c103.759,37.78) 103.759,38.227 103.759,38.293 ccw(c103.312,38.293) S252.2@103.312,38.74 105.535,38.74 ccw(c105.535,41.28) 108.075,41.28 S235.2@108.075,52.07 S235.2@108.075,57.79 108.075,58.801 cw(c110.615,58.801) 110.615,61.341 126.966,61.341 cw(c126.966,58.801) 129.506,58.801 S234_1.2@129.506,57.79 S234.2@131.887,57.79 ; 129.44,78.657 cw(c130.049,76.84) 131.953,77.063 ccw(c132.206,77.094) 132.204,76.84 S217.2@136.65,76.84 ; S251.2@129.506,38.74 S251.2@129.506,33.02 131.728,33.02 cw(c131.728,30.48) 134.268,30.48 S265_1.2@134.268,19.69 S265_1.2@134.268,13.97 ; S234_1.2@130.208,52.07 S234.2@131.887,52.07 S234.2@131.887,57.79 ; S280.1@131.887,-5.08 S280.1@131.887,0.64 S265_3.2@131.887,13.97 ; S201.2@136.65,99.694 S217.2@136.65,76.84 ; S201.2@136.65,99.694 S201.2@136.65,105.414 ; S234.2@131.887,57.79 134.11,57.79 ccw(c134.11,60.33) 136.65,60.33 S217.2@136.65,71.12 S217.2@136.65,76.84
  Bottom Layer w3.18: S266.2@112.84,13.97 S265_2.2@115.764,13.97 ; S265_2.2@116.305,13.97 S265.2@118.143,13.97 ; S234_1.2@129.588,52.07 S234.2@131.867,52.07 ; S265_3.2@132.43,13.97 S265_1.2@134.268,13.97 ; S265_3.2@132.43,19.69 S265_1.2@134.268,19.69
col2: S202_1.2 S203_1.2 S219.2 S220.2 S236.2 S237.2 S253.2 S254.2 S267.2 S268.2 S281.1 S282.1 U301.19 | length 473.1
  Component Side w0.254: U301.19@-83.067,89.775 -81.837,91.005 cw(c-80.041,89.209) -80.343,91.731 -80.128,91.731 ccw(c-80.129,91.985) -80.104,91.732 cw(c-79.788,88.755) -79.788,91.749 -66.789,91.749 cw(c-66.789,88.755) -66.473,91.732 cw(c-66.789,88.755) -65.9,91.614 ccw(c-65.826,91.857) -65.885,91.61 cw(c-67.088,86.485) -64.73,91.192 cw(c-67.088,86.485) -63.358,90.2 -63.166,90.008 -62.974,89.815 cw(c-63.932,88.848) -62.967,89.809 -62.886,89.728 ; -62.968,89.81 -62.886,89.728 ; S220.2@79.5,76.84 79.5,78.941 ccw(c77.176,78.941) 77.176,81.264 -54.31,81.264 cw(c-54.31,81.534) -54.502,81.343 ccw(c-55.147,80.705) -54.509,81.351 -55.067,81.909 ccw(c-55.711,81.269) -55.071,81.913 -58.877,85.719 -62.867,89.709 ccw(c-63.509,89.067) -62.869,89.711 -62.881,89.723 ccw(c-63.525,89.083) -62.886,89.728 ; S236.2@89.025,52.07 S236.2@89.025,57.79
  Bottom Layer w0.254: S237.2@69.975,52.07 S237.2@69.975,57.79 80.27,57.79 cw(c80.268,57.536) 80.521,57.566 ccw(c82.424,57.79) 84.328,57.566 cw(c84.581,57.536) 84.579,57.79 S236.2@89.025,57.79 96.01,57.79 ccw(c96.01,60.33) 98.55,60.33 S219.2@98.55,71.12 S219.2@98.55,76.84 ; S203_1.2@72.9,105.415 S203_1.2@72.9,99.694 73.236,99.359 ccw(c73.415,99.539) 73.415,99.285 77.434,99.285 cw(c77.433,99.031) 77.675,99.109 ccw(c79.5,99.694) 81.404,99.471 cw(c81.656,99.44) 81.655,99.694 S202_1.2@91.95,99.694 ; S220.2@79.5,71.12 S220.2@79.5,76.84 89.795,76.84 ccw(c89.793,77.094) 90.046,77.064 cw(c91.949,76.84) 90.744,78.331 ; S253.2@84.262,32.901 S253.2@84.262,33.02 S253.2@84.262,38.74 ; S236.2@89.025,52.07 89.025,41.28 cw(c86.485,41.28) 86.485,38.74 S253.2@84.262,38.74 ; 90.588,78.19 cw(c91.949,76.84) 93.853,77.063 ccw(c94.106,77.094) 94.104,76.84 S219.2@98.55,76.84 ; S202_1.2@91.95,105.415 S202_1.2@91.95,99.694 ; S267.2@93.787,13.97 S267.2@93.787,19.69 89.342,19.69 ccw(c89.343,19.436) 89.091,19.466 cw(c87.187,19.69) 85.283,19.466 ccw(c85.031,19.436) 85.032,19.69 S268.2@74.737,19.69 ; S281.1@108.075,0.64 S281.1@108.075,-5.08 103.63,-5.08 ccw(c103.631,-5.334) 103.401,-5.226 103.383,-5.264 cw(c101.475,-5.08) 103.235,-5.84 cw(c101.475,-5.08) 99.76,-5.937 cw(c101.475,-5.08) 99.57,-5.291 99.559,-5.262 ccw(c99.321,-5.351) 99.322,-5.097 84.352,-5.097 cw(c84.353,-4.843) S282.1@84.263,-5.08 S282.1@84.263,0.64 84.263,3.393 ccw(c81.723,3.393) 83.519,5.189 S268.2@74.737,13.97 S268.2@74.737,19.69 ; S268.2@74.737,19.69 74.737,28.747 ccw(c70.465,28.747) 70.465,33.02 S254.2@65.212,33.02 S254.2@65.212,38.74 75.507,38.74 cw(c75.506,38.486) 75.758,38.516 ccw(c77.662,38.74) 79.566,38.516 cw(c79.818,38.486) 79.817,38.74 S253.2@84.262,38.74 ; S202_1.2@91.95,99.694 91.95,94.395 ccw(c94.49,94.395) 92.694,92.599 97.806,87.487 cw(c96.01,85.691) 98.55,85.691 S219.2@98.55,76.84
col3: S204_1.2 S205_1.2 S221.2 S222.2 S238.2 S239.2 S255.2 S256.2 S269.2 S270.2 U301.18 | length 372.9
  Component Side w0.254: U301.18@-82.714,89.421 -81.584,90.551 cw(c-79.788,88.755) -79.788,91.295 -66.789,91.295 cw(c-66.789,88.755) -66.021,91.176 ccw(c-65.946,91.419) -66.004,91.171 cw(c-67.088,86.485) -65.429,91 cw(c-67.088,86.485) -63.68,89.88 -63.294,89.493 cw(c-63.932,88.848) -63.289,89.489 -63.206,89.406 cw(c-63.525,89.083) -63.204,89.403 -63.189,89.388 ; -63.188,89.388 -55.391,81.591 cw(c-55.711,81.269) -55.389,81.589 -54.829,81.029 cw(c-55.147,80.705) -54.823,81.023 ; -54.823,81.023 ccw(c-54.31,81.534) -54.31,80.81 39.341,80.81 cw(c39.341,78.752) 41.4,78.752 S222.2@41.4,76.84 ; S239.2@31.875,52.07 S239.2@31.875,57.79
  Bottom Layer w0.254: S239.2@31.875,57.79 ccw(c31.925,58.039) 31.924,57.785 42.17,57.785 cw(c42.169,57.531) 42.421,57.562 ccw(c44.324,57.79) 46.228,57.563 cw(c46.48,57.531) 46.479,57.785 50.874,57.785 ccw(c50.874,58.039) S238.2@50.925,57.79 ; S270.2@36.637,13.97 S270.2@36.637,19.69 ; S222.2@41.4,71.12 S222.2@41.4,76.84 51.695,76.84 ccw(c51.693,77.094) 51.946,77.064 cw(c53.849,76.84) 52.981,78.549 ; S205_1.2@41.4,105.415 S205_1.2@41.4,99.694 S204_1.2@53.85,99.694 ; S255.2@46.162,32.447 S255.2@46.162,33.02 S255.2@46.162,38.74 ; 52.311,77.984 cw(c53.849,76.84) 55.753,77.063 ccw(c56.006,77.094) 56.004,76.84 S221.2@60.45,76.84 ; S204_1.2@53.85,105.415 S204_1.2@53.85,99.694 ; S269.2@55.687,13.97 S269.2@55.687,19.69 51.242,19.69 ccw(c51.243,19.436) 50.991,19.466 cw(c49.087,19.69) 47.183,19.466 ccw(c46.931,19.436) 46.932,19.69 S270.2@36.637,19.69 ; S270.2@36.637,19.69 36.637,29.316 ccw(c32.933,29.316) 32.933,33.02 S256.2@27.112,33.02 S256.2@27.112,38.74 37.348,38.74 ccw(c37.348,38.994) 37.527,38.814 37.595,38.883 ccw(c37.415,39.061) 37.666,39.023 cw(c39.562,38.74) 41.436,39.142 ccw(c41.684,39.197) 41.683,38.943 45.913,38.943 cw(c45.913,38.689) S255.2@46.162,38.74 ; S255.2@46.162,38.74 48.385,38.74 ccw(c48.385,41.28) 50.925,41.28 S238.2@50.925,52.07 S238.2@50.925,57.79 ; S238.2@50.925,57.79 57.91,57.79 ccw(c57.91,60.33) 60.45,60.33 S221.2@60.45,71.12 60.45,76.202 ccw(c60.198,76.202) 60.198,76.454 60.198,76.589 cw(c60.45,76.589) S221.2@60.45,76.84 ; S204_1.2@53.85,99.694 53.85,94.268 ccw(c56.39,94.268) 54.594,92.472 59.706,87.36 cw(c57.91,85.564) 60.45,85.564 S221.2@60.45,76.84